# KiCad board MissionOrderFile.kicad_pcb (continued)
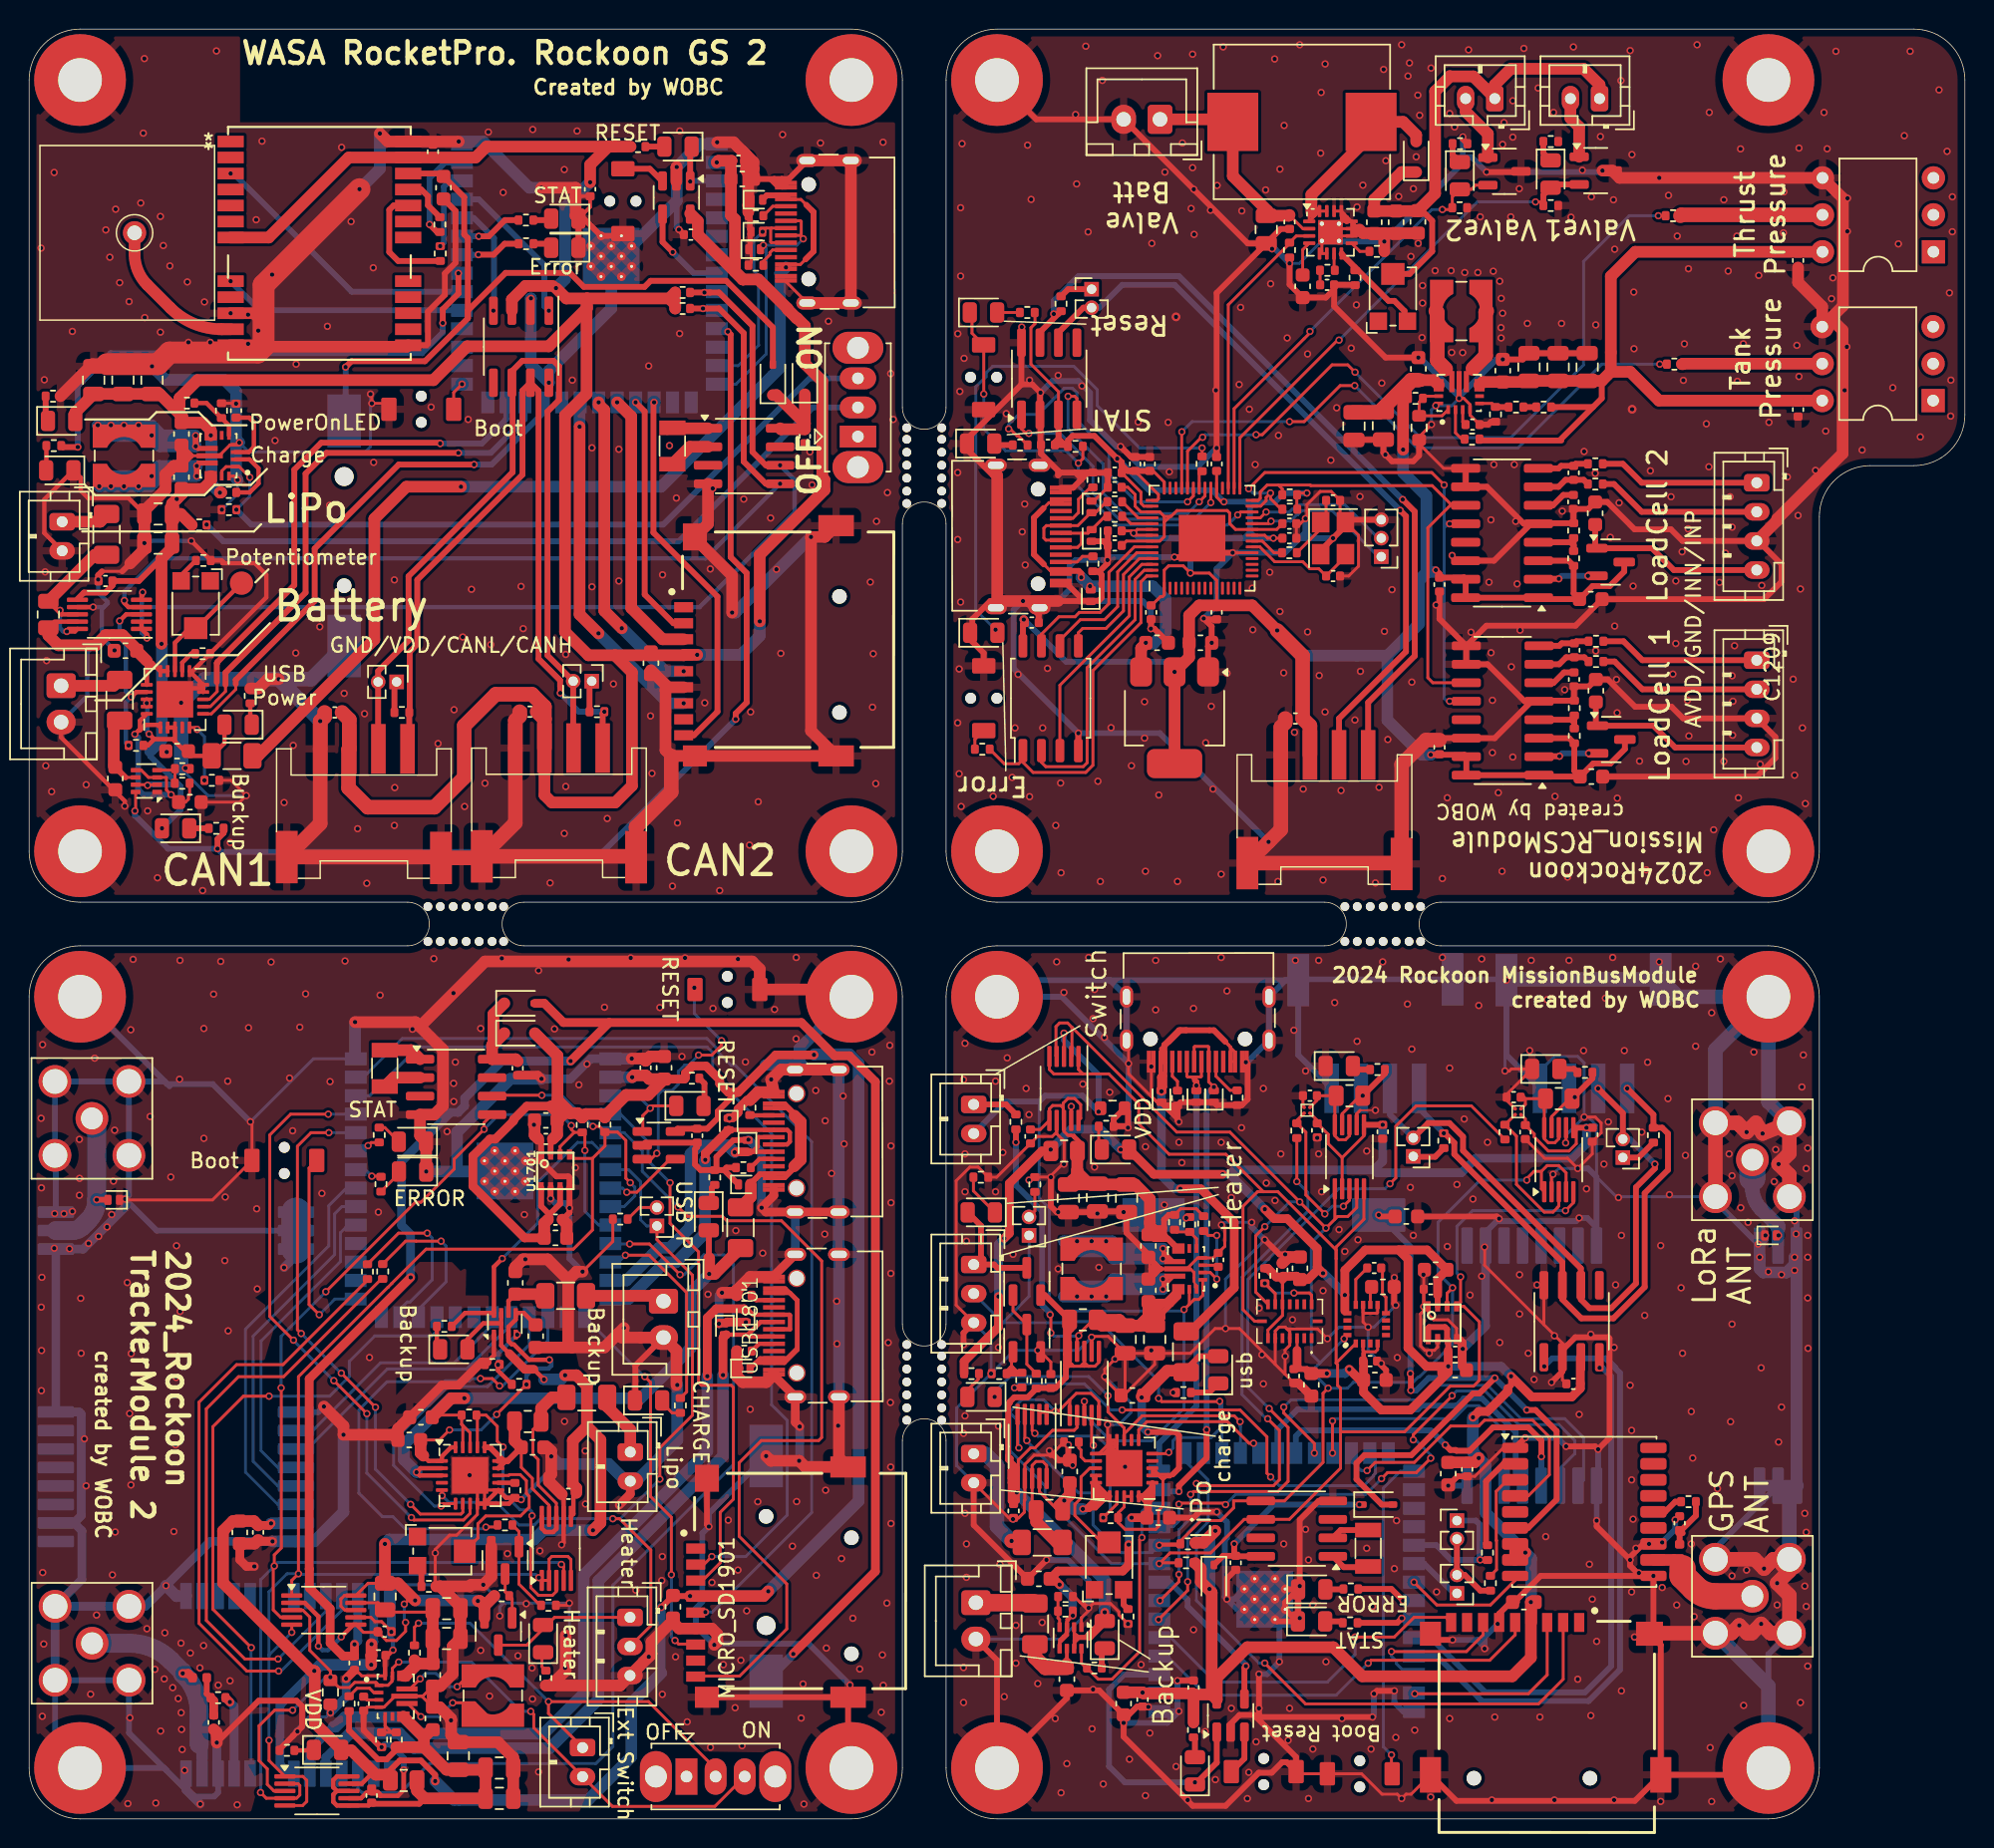
[diagram p0: board, top side]
## Footprints (pads in the part's own frame, mm; a bottom-side part is the same pattern mirrored in y, then rotated) (continued)
VREG_TPS63070RNMR
  rrect 0.6x0.25 smd: 1(-1.15,0.75) 2(-1.15,0.25) 3(-1.15,-0.25) 4(-1.15,-0.75)
  rrect 0.25x0.6 smd: 5(-0.725,-1.4) 6(-0.225,-1.4) 14(-0.225,1.4) 15(-0.725,1.4)
  rrect 0.85x0.7 smd: 7_8(0.525,-1.4) 12_13(0.525,1.4)
  rrect 1.45x0.35 smd: 9(0.775,-0.5) 11(0.775,0.5)
  rrect 1.8x0.35 smd: 10(0.6,0)
VSSOP-10_3x3mm_P0.5mm
  rrect 1.45x0.3 smd: 1(-2.2,1) 2(-2.2,0.5) 3(-2.2,0) 4(-2.2,-0.5) 5(-2.2,-1) 6(2.2,-1) 7(2.2,-0.5) 8(2.2,0) 9(2.2,0.5) 10(2.2,1)
WCSPD-4(0.8x0.8)
  round 0.25 smd: 1(-0.2,-0.2) 2(0.2,-0.2) 3(0.2,0.2) 5(-0.2,0.2)
WQFN-16-1EP_3x3mm_P0.5mm_EP1.68x1.68mm_ThermalVias
  rrect 0.73x0.73 smd: (-0.42,0.42) (-0.42,-0.42) (0.42,0.42) (0.42,-0.42)
  rrect 0.835x0.25 smd: 1(-1.458,0.75) 2(-1.458,0.25) 3(-1.458,-0.25) 4(-1.458,-0.75) 9(1.458,-0.75) 10(1.458,-0.25) 11(1.458,0.25) 12(1.458,0.75)
  rrect 0.25x0.835 smd: 5(-0.75,-1.458) 6(-0.25,-1.458) 7(0.25,-1.458) 8(0.75,-1.458) 13(0.75,1.458) 14(0.25,1.458) 15(-0.25,1.458) 16(-0.75,1.458)
  round 0.5 hole 0.3: 17(-0.59,0.59) 17(-0.59,-0.59) 17(0.59,0.59) 17(0.59,-0.59)
  rect 1.68x1.68 smd: 17(0,0)
  rect 1.68x1.68 smd far side: 17(0,0)

## Nets
/MissionBus/LiPo/VDD_BUS: C2812.1 C2813.1 C2814.1 C2815.1 C2816.1 R2818.1 R2820.2 R2821.1 U2805.7_8 U2806.6 U2806.8 U2806.10
/Tracker/Lipo/VDD_BUS: C1612.1 C1613.1 C1614.1 C1615.1 C1616.1 R1618.1 R1620.2 R1621.1 U1605.7_8 U1606.6 U1606.8 U1606.10
GND: BT101.2 BT1501.2 BT2201.2 C101.1 C201.1 C202.1 C203.1 C204.2 C301.1 C401.1 C501.1 C601.2 C602.2 C603.2 C604.2 C605.2 C606.2 C607.2 C608.2 C609.2 C610.2 C611.2 C612.2 C613.2 C701.2 C702.1 C801.2 C802.2 C901.1 C902.1 C903.1 C904.1 C905.2 C906.2 C907.1 C908.2 C909.1 C910.2 C911.2 C912.2 C913.2 C914.2 C915.2 C1001.1 C1101.2 C1102.2 C1103.2 C1104.2 C1105.2 C1106.2 C1107.2 C1201.2 C1202.2 C1203.2 C1204.2 C1205.2 C1206.2 C1207.2 C1208.2 C1209.2 C1210.2 C1301.2 C1303.2 C1304.2 C1305.2 C1401.2 C1403.2 C1404.2 C1405.2 C1601.2 C1602.2 C1603.2 C1604.2 C1605.2 C1606.2 C1607.2 C1608.2 C1609.2 C1610.2 C1611.2 C1612.2 C1613.2 C1614.2 C1615.2 C1616.2 C1701.2 C1702.2 C1703.2 C1704.2 C1801.2 C1802.1 C1803.1 C1901.2 C1902.1 C2001.2 C2002.2 C2101.1 C2102.1 C2103.2 C2201.1 C2301.1 C2302.1 C2303.1 C2304.2 C2401.1 C2402.1 C2403.1 C2501.2 C2502.1 C2601.2 C2701.1 C2702.1 C2703.1 C2801.2 C2802.2 C2803.2 C2804.2 C2805.2 C2806.2 C2807.2 C2808.2 C2809.2 C2810.2 C2811.2 C2812.2 C2813.2 C2814.2 C2815.2 C2816.2 C2901.2 C2902.2 C3001.2 C3002.2 C3003.2 C3004.2 C3101.2 C3102.2 C3103.2 C3104.2 C3106.2 C3107.2 C3108.2 D201.1 D202.1 D203.1 D205.1 D206.1 D902.1 D903.1 D904.1 D905.1 D906.1 D1801.1 D1802.1 D1803.1 D2001.1 D2101.1 D2102.1 D2103.1 D2105.1 D2106.1 D2301.1 D2302.1 D2303.1 D2305.1 D2306.1 D2901.1 J402.4 J402.MP J502.4 J502.MP J601.2 J602.2 J801.2 J901.3 J1002.4 J1002.MP J1301.3 J1401.3 J1601.2 J1602.3 J1605.2 J1801.2 J2001.2 J2402.4 J2402.MP J2603.2 J2702.4 J2702.MP J2801.2 J2802.3 J2805.2 J2901.2 LED603.1 LED1602.1 LED2401.1 LED2701.1 MICRO_SD701.6 MICRO_SD701.MP1 MICRO_SD701.MP2 MICRO_SD701.MP3 MICRO_SD701.MP4 MICRO_SD1901.6 MICRO_SD1901.MP1 MICRO_SD1901.MP2 MICRO_SD1901.MP3 MICRO_SD1901.MP4 MICRO_SD2501.6 MICRO_SD2501.MP1 MICRO_SD2501.MP2 MICRO_SD2501.MP3 MICRO_SD2501.MP4 Q1101.3 Q1102.3 Q1601.2 Q2801.2 R201.2 R202.2 R601.2 R602.2 R603.2 R604.1 R605.1 R611.2 R614.1 R616.2 R903.2 R904.2 R1101.2 R1102.2 R1104.2 R1105.2 R1106.2 R1107.2 R1108.2 R1202.2 R1204.1 R1304.2 R1404.2 R1601.2 R1603.2 R1604.2 R1606.1 R1610.2 R1612.1 R1615.2 R1616.2 R1619.1 R1622.2 R1801.2 R1802.2 R2101.2 R2102.2 R2301.2 R2302.2 R2801.2 R2803.2 R2804.2 R2806.1 R2810.2 R2812.1 R2815.2 R2816.2 R2819.1 R2822.2 REF**.GND REF**#2.GND REF**#3.GND REF**#4.GND SW201.2 SW202.2 SW901.2 SW902.1 SW2101.2 SW2102.2 SW2301.2 SW2302.2 U201.2 U202.2 U202.8 U203.1 U203.40 U203.41 U301.10 U301.12 U301.13 U301.24 U601.9 U601.10 U601.11 U601.21 U602.1 U603.4 U603.10 U603.15 U604.7 U701.4 U801.1 U901.2 U901.8 U902.4 U903.19 U903.57 U1101.5 U1101.6 U1101.10 U1101.11 U1101.12 U1101.13 U1101.14 U1101.17 U1201.4 U1201.10 U1201.15 U1202.6 U1203.6 U1301.5 U1301.9 U1301.10 U1301.14 U1401.5 U1401.9 U1401.10 U1401.14 U1601.9 U1601.10 U1601.11 U1601.21 U1602.1 U1603.7 U1604.7 U1605.4 U1605.10 U1605.15 U1606.7 U1701.1 U1701.5 U1701.7 U1801.10 U1801.12 U1801.13 U1801.24 U1901.4 U2001.1 U2001.2 U2001.3 U2001.4 U2001.11 U2001.13 U2001.19 U2001.20 U2001.22 U2101.2 U2102.1 U2102.40 U2102.41 U2301.2 U2302.2 U2302.8 U2303.1 U2303.40 U2303.41 U2401.2 U2402.7 U2501.4 U2601.1 U2601.10 U2601.12 U2701.2 U2702.2 U2702.7 U2801.9 U2801.10 U2801.11 U2801.21 U2802.1 U2803.7 U2804.7 U2805.4 U2805.10 U2805.15 U2806.7 U2901.1 U2901.2 U2901.3 U2901.4 U2901.11 U2901.13 U2901.19 U2901.20 U2901.22 U3001.1 U3001.5 U3001.7 U3101.4 U3101.6 U3102.9 U3102.11 USB201.A1 USB201.A12 USB201.B1 USB201.B12 USB201.S1 USB901.A1 USB901.A12 USB901.B1 USB901.B12 USB901.S1 USB1801.A1 USB1801.A12 USB1801.B1 USB1801.B12 USB1801.S1 USB2101.A1 USB2101.A12 USB2101.B1 USB2101.B12 USB2101.S1 USB2301.A1 USB2301.A12 USB2301.B1 USB2301.B12 USB2301.S1 Y901.2 Y901.4
VBUS: C801.1 D902.2 D2301.2 F2801.1 U801.3 USB901.A4 USB901.A9 USB901.B4 USB901.B9 USB2301.A4 USB2301.A9 USB2301.B4 USB2301.B9
VCCRF: R1803.1 U1801.9
VDD: C201.2 C202.2 C203.2 C204.1 C301.2 C401.2 C501.2 C610.1 C611.1 C612.1 C613.1 C701.1 C802.1 C901.2 C902.2 C908.1 C909.2 C910.1 C911.1 C912.1 C913.1 C914.1 C915.1 C1001.2 C1201.1 C1202.1 C1203.1 C1304.1 C1305.1 C1404.1 C1405.1 C1701.1 C1702.1 C1703.1 C1704.1 C1802.2 C1901.1 C2001.1 C2002.1 C2101.2 C2102.2 C2103.1 C2301.2 C2302.2 C2303.2 C2304.1 C2401.2 C2403.2 C2501.1 C2701.2 C2703.2 C2901.1 C2902.1 C3001.1 C3002.1 C3003.1 C3004.1 C3101.1 C3102.1 C3103.1 C3104.1 C3107.1 C3108.1 D702.2 D1902.2 D2502.2 J402.3 J502.3 J1002.3 LED604.2 LED1605.2 LED2805.2 MICRO_SD701.4 MICRO_SD1901.4 MICRO_SD2501.4 Q1301.3 Q1401.3 R203.1 R205.1 R207.1 R613.1 R615.2 R901.1 R902.1 R909.1 R911.1 R1201.2 R1303.1 R1403.1 R1621.2 R2103.1 R2105.1 R2107.1 R2303.1 R2305.1 R2307.1 R2802.2 R2821.2 R3101.2 U201.5 U202.3 U203.2 U301.7 U301.23 U603.7_8 U801.2 U901.3 U902.8 U903.1 U903.10 U903.22 U903.33 U903.42 U903.43 U903.44 U903.48 U903.49 U1201.12_13 U1301.1 U1301.3 U1301.15 U1301.16 U1401.1 U1401.3 U1401.15 U1401.16 U1606.9 U1701.2 U1701.6 U1701.8 U1801.7 U1801.23 U2001.10 U2101.5 U2102.2 U2301.5 U2302.3 U2303.2 U2401.5 U2402.2 U2402.6 U2601.7 U2601.8 U2701.5 U2702.6 U2806.9 U2901.10 U3001.2 U3001.6 U3001.8 U3101.3 U3101.7 U3101.11 U3102.2 U3102.4 U3102.13
/GS/CLK: MICRO_SD701.5 U203.20
/GS/DET: MICRO_SD701.CD1 U203.17
/GS/ESP32/CAN_RX: U202.4 U203.36
/GS/ESP32/CAN_TX: U202.1 U203.37
/GS/ESP32/CANH: J402.1 J502.1 R401.2 R501.2 U202.7
/GS/ESP32/CANL: J401.2 J402.2 J501.2 J502.2 U202.6
/GS/ESP32/GPIO1/ADC1_CH0: R301.1 U203.39
/GS/ESP32/GPIO2/ADC1_CH1: R302.1 U203.38
/GS/ESP32/GPIO3/ADC1_CH2: U203.15
/GS/ESP32/GPIO4/ADC1_CH3: U203.4
/GS/ESP32/GPIO5/ADC1_CH4: U203.5
/GS/ESP32/GPIO6/ADC1_CH5: U203.6
/GS/ESP32/GPIO7/ADC1_CH6: U203.7
/GS/ESP32/GPIO8/ADC1_CH7: U203.12
/GS/ESP32/GPIO14: U203.22
/GS/ESP32/GPIO18: R608.2 U203.11 U602.8
/GS/ESP32/GPIO38: U203.31 U301.8
/GS/ESP32/GPIO39: U203.32 U301.3
/GS/ESP32/GPIO40: R610.2 U203.33
/GS/ESP32/USB_D+: D202.2 U203.14 USB201.A6 USB201.B6
/GS/ESP32/USB_D-: D203.2 U203.13 USB201.A7 USB201.B7
/GS/ESP32/VUSB: D201.2 F601.1 USB201.A4 USB201.A9 USB201.B4 USB201.B9
/GS/ESP32/WDI: U201.4 U203.8
/GS/MISO: MICRO_SD701.7 U203.21
/GS/MOSI: MICRO_SD701.3 U203.19
/GS/PG: U203.23 U601.6
/GS/SCL: R205.2 U203.9 U604.1 U604.2 U604.5 U701.6
/GS/SDA: R207.2 U203.10 U604.4 U701.5
/GS/SS: MICRO_SD701.2 U203.18
/GS/STAT1: U203.25 U601.8
/GS/STAT2: U203.24 U601.7
/MissionBus/CANH: J2402.1 J2702.1 R2404.2 R2704.2 U2302.7
/MissionBus/CANL: J2401.2 J2402.2 J2701.2 J2702.2 U2302.6
/MissionBus/ESPCore/CAN_RX: U2302.4 U2303.36
/MissionBus/ESPCore/CAN_TX: U2302.1 U2303.37
/MissionBus/ESPCore/GPIO1/ADC1_CH0: MICRO_SD2501.3 U2303.39
/MissionBus/ESPCore/GPIO2/ADC1_CH1: MICRO_SD2501.7 U2303.38
/MissionBus/ESPCore/GPIO3/ADC1_CH2: MICRO_SD2501.2 U2303.15
/MissionBus/ESPCore/GPIO4/ADC1_CH3: MICRO_SD2501.5 U2303.4
/MissionBus/ESPCore/GPIO5/ADC1_CH4: MICRO_SD2501.CD1 U2303.5
/MissionBus/ESPCore/GPIO6/ADC1_CH5: R2401.1 U2303.6
/MissionBus/ESPCore/GPIO7/ADC1_CH6: R2701.1 U2303.7
/MissionBus/ESPCore/GPIO8/ADC1_CH7: R2809.2 U2303.12 U2802.8
/MissionBus/ESPCore/GPIO9/ADC1_CH8: J2802.2 J2804.1 U2303.17 U2801.5
/MissionBus/ESPCore/GPIO10/ADC1_CH9: LED2802.1 U2303.18 U2801.8
/MissionBus/ESPCore/GPIO11: U2303.19 U2801.6
/MissionBus/ESPCore/GPIO14: U2303.22 U2901.5
/MissionBus/ESPCore/GPIO18: U2303.11 U2901.6
/MissionBus/ESPCore/GPIO21: U2303.23 U2901.9
/MissionBus/ESPCore/GPIO40: U2303.33 U2601.9
/MissionBus/ESPCore/GPIO47: U2303.24 U2601.4
/MissionBus/ESPCore/GPIO48: R2808.2 U2303.25
/MissionBus/ESPCore/USB_D+: D2302.2 U2303.14 USB2301.A6 USB2301.B6
/MissionBus/ESPCore/USB_D-: D2303.2 U2303.13 USB2301.A7 USB2301.B7
/MissionBus/ESPCore/WDI: U2301.4 U2303.8
/MissionBus/GPS_RTX: J2601.1 R2602.2 U2303.31
/MissionBus/GPS_TRX: J2602.1 U2303.32
/MissionBus/LiPo/PROG: RV2801.2 U2801.13
/MissionBus/LiPo/STAT2: U2801.7
/MissionBus/LoRa_RTX: U2303.20 U2901.8
/MissionBus/LoRa_TRX: U2303.21 U2901.7
/MissionBus/SCL: R2305.2 U2303.9 U2402.5 U2501.6 U2702.5 U2803.1 U2803.5 U2804.1 U2804.2 U2804.5 U2806.1 U2806.5 U3001.4 U3101.8 U3102.1
/MissionBus/SDA: R2307.2 U2303.10 U2402.1 U2402.4 U2501.5 U2702.1 U2702.4 U2803.4 U2804.4 U2806.2 U2806.4 U3001.3 U3101.9 U3102.16
/RCS/IF/CANH: J1002.1 R1001.2 U901.7
/RCS/IF/CANL: J1001.2 J1002.2 U901.6
/RCS/RCS/RCS_EN: R1101.1 U903.31 U1101.3
/RCS/RCS/valve1: D1102.2 Q1101.2 R1106.1 U903.30
/RCS/RCS/valve2: D1103.2 Q1102.2 R1108.1 U903.29
/RCS/RP2040/CAN_RX: U901.4 U903.35
/RCS/RP2040/CAN_TX: U901.1 U903.34
/RCS/RP2040/GPIO0: U903.2
/RCS/RP2040/GPIO1: U903.3
/RCS/RP2040/GPIO2: U903.4
/RCS/RP2040/GPIO3: U903.5
/RCS/RP2040/GPIO4: U903.6
/RCS/RP2040/GPIO5: U903.7
/RCS/RP2040/GPIO6: U903.8
/RCS/RP2040/GPIO7: U903.9
/RCS/RP2040/GPIO8: U903.11
/RCS/RP2040/GPIO9: U903.12
/RCS/RP2040/GPIO10: U903.13
/RCS/RP2040/GPIO11: U903.14
/RCS/RP2040/GPIO12: U903.15
/RCS/RP2040/GPIO13: U903.16
/RCS/RP2040/GPIO14: U903.17
/RCS/RP2040/GPIO15: U903.18
/RCS/RP2040/GPIO21: U903.32
/RCS/RP2040/GPIO26_ADC0: R1207.2 U903.38
/RCS/RP2040/GPIO27_ADC1: R1208.2 U903.39
/RCS/RP2040/GPIO28_ADC2: U903.40
/RCS/RP2040/GPIO29_ADC3: U903.41
/RCS/RP2040/USB_D+: D903.2 R906.1 USB901.A6 USB901.B6
/RCS/RP2040/USB_D-: D904.2 R907.1 USB901.A7 USB901.B7
/RCS/SCL: R911.2 U903.28 U1301.11 U1401.11
/RCS/SDA: R909.2 U903.27 U1301.12 U1401.12
/Tracker/ESP32/CAN_RX: U1601.7 U2102.36
/Tracker/ESP32/CAN_TX: U1601.8 U2102.37
/Tracker/ESP32/GPIO1/ADC1_CH0: MICRO_SD1901.5 U2102.39
/Tracker/ESP32/GPIO2/ADC1_CH1: MICRO_SD1901.2 U2102.38
/Tracker/ESP32/GPIO3/ADC1_CH2: MICRO_SD1901.7 U2102.15
/Tracker/ESP32/GPIO4/ADC1_CH3: MICRO_SD1901.3 U2102.4
/Tracker/ESP32/GPIO5/ADC1_CH4: MICRO_SD1901.CD1 U2102.5
/Tracker/ESP32/GPIO6/ADC1_CH5: R1609.2 U1602.8 U2102.6
/Tracker/ESP32/GPIO7/ADC1_CH6: J1602.2 J1604.1 U1601.5 U2102.7
/Tracker/ESP32/GPIO8/ADC1_CH7: R1602.2 U2102.12
/Tracker/ESP32/GPIO9/ADC1_CH8: R1608.2 U2102.17
/Tracker/ESP32/GPIO10/ADC1_CH9: U1601.6 U2102.18
/Tracker/ESP32/GPIO11: U2001.6 U2102.19
/Tracker/ESP32/GPIO12: U2001.5 U2102.20
/Tracker/ESP32/GPIO13: U2102.21
/Tracker/ESP32/GPIO14: U2102.22
/Tracker/ESP32/GPIO18: U1801.3 U2102.11
/Tracker/ESP32/GPIO21: U1801.8 U2102.23
/Tracker/ESP32/GPIO38: U2001.7 U2102.31
/Tracker/ESP32/GPIO39: U2001.8 U2102.32
/Tracker/ESP32/GPIO40: U2001.9 U2102.33
/Tracker/ESP32/GPIO47: R1805.1 U2102.24
/Tracker/ESP32/GPIO48: R1804.1 U2102.25
/Tracker/ESP32/I2C_SCL: R2105.2 U1603.1 U1603.5 U1604.1 U1604.2 U1604.5 U1606.1 U1606.5 U1701.4 U1901.6 U2102.9
/Tracker/ESP32/I2C_SDA: R2107.2 U1603.4 U1604.4 U1606.2 U1606.4 U1701.3 U1901.5 U2102.10
/Tracker/ESP32/USB_D+: D2102.2 U2102.14 USB2101.A6 USB2101.B6
/Tracker/ESP32/USB_D-: D2103.2 U2102.13 USB2101.A7 USB2101.B7
/Tracker/ESP32/VUSB: D2101.2 F1601.1 USB2101.A4 USB2101.A9 USB2101.B4 USB2101.B9
/Tracker/ESP32/WDI: U2101.4 U2102.8
/Tracker/GPSActive/USB_D+: D1802.2 U1801.6 USB1801.A6 USB1801.B6
/Tracker/GPSActive/USB_D-: D1803.2 U1801.5 USB1801.A7 USB1801.B7
/Tracker/Lipo/PROG: RV1601.2 U1601.13
GPS_Backup: BT101.1 BT1501.1 BT2201.1 C101.2 C1803.2 C2201.2 D701.2 D1901.2 D2501.2 U301.22 U1801.22 U2601.6
GPSANT1: AE301.1 J1801.1 L1801.1 U301.11 U1801.11
RCS_VIN: C1102.1 C1104.1 J801.1 L1101.1 U1101.2
RESET: D204.1 D901.1 D2104.1 D2304.1 R901.2 SW901.1 U201.1 U203.3 U903.26 U2101.1 U2102.3 U2301.1 U2303.3
VPP: C1604.1 C1609.1 C2804.1 C2809.1 LED1603.2 LED2803.2 Q1602.2 Q2802.2 R1611.1 R1613.1 R2811.1 R2813.1 U1602.2 U1602.7 U1603.2 U1603.6 U1603.8 U1603.10 U1604.6 U2802.2 U2802.7 U2803.2 U2803.6 U2803.8 U2803.10 U2804.6
Net-(C904-Pad2): C904.2 R908.1 Y901.1
Net-(C1103-Pad1): C1103.1 R1103.2
Net-(C1801-Pad1): C1801.1 L1801.2 R1803.2
Net-(C2601-Pad1): C2601.1 L2601.1 R2603.2
Net-(D204-A): D204.2 R203.2
Net-(D205-A): D205.2 R204.2
Net-(D206-A): D206.2 R206.2
Net-(D701-K): C702.2 D701.1 D702.1 U701.8
Net-(D901-A): D901.2 R902.2
Net-(D905-A): D905.2 R910.2
Net-(D906-A): D906.2 R912.2
Net-(D1101-A): D1101.2 L1101.2 U1101.1 U1101.15 U1101.16
Net-(D1101-K): C1105.1 C1106.1 C1107.1 D1101.1 J1101.1 J1102.1 RV1101.2
Net-(D1102-K): D1102.1 R1104.1
Net-(D1103-K): D1103.1 R1107.1
Net-(D1801-A2): D1801.2 USB1801.A4 USB1801.A9 USB1801.B4 USB1801.B9
Net-(D1901-K): C1902.2 D1901.1 D1902.1 U1901.8
Net-(D2001-A2): D2001.2 J2001.1 U2001.21
Net-(D2104-A): D2104.2 R2103.2
Net-(D2105-A): D2105.2 R2104.2
Net-(D2106-A): D2106.2 R2106.2
Net-(D2304-A): D2304.2 R2303.2
Net-(D2305-A): D2305.2 R2304.2
Net-(D2306-A): D2306.2 R2306.2
Net-(D2501-K): C2502.2 D2501.1 D2502.1 U2501.8
Net-(D2901-A2): D2901.2 J2901.1 U2901.21
Net-(J401-Pin_1): J401.1 R401.1
Net-(J501-Pin_1): J501.1 R501.1
Net-(J601-Pin_1): F602.1 J601.1
Net-(J602-Pin_1): F603.2 J602.1
Net-(J901-Pin_1): J901.1 U903.24
Net-(J901-Pin_2): J901.2 U903.25
Net-(J1001-Pin_1): J1001.1 R1001.1
Net-(J1101-Pin_2): J1101.2 Q1101.1
Net-(J1102-Pin_2): J1102.2 Q1102.1
Net-(J1301-Pin_1): J1301.1 R1301.1
Net-(J1301-Pin_2): J1301.2 R1302.1
Net-(J1301-Pin_4): C1301.1 J1301.4 Q1301.1
Net-(J1401-Pin_1): J1401.1 R1401.1
Net-(J1401-Pin_2): J1401.2 R1402.1
Net-(J1401-Pin_4): C1401.1 J1401.4 Q1401.1
Net-(J1601-Pin_1): F1602.1 J1601.1
Net-(J1602-Pin_1): J1602.1 LED1604.2 Q1602.3
Net-(J1603-Pin_1): J1603.1 R1614.1 SW1601.2
Net-(J1603-Pin_2): J1603.2 R1616.1 SW1601.3 U1603.3 U1605.1 U1605.14 U1606.3
Net-(J1604-Pin_2): J1604.2 R1615.1
Net-(J1605-Pin_1): F1603.2 J1605.1
Net-(J2401-Pin_1): J2401.1 R2404.1
Net-(J2402-Pin_3): J2402.3 R2402.2 R2403.2 U2402.9
Net-(J2601-Pin_2): J2601.2 J2602.2 R2601.2
Net-(J2603-In): J2603.1 L2601.2 U2601.11
Net-(J2701-Pin_1): J2701.1 R2704.1
Net-(J2702-Pin_3): J2702.3 R2702.2 R2703.2 U2702.9
Net-(J2801-Pin_1): F2802.1 J2801.1
Net-(J2802-Pin_1): J2802.1 LED2804.2 Q2802.3
Net-(J2803-Pin_1): J2803.1 R2814.1
Net-(J2803-Pin_2): J2803.2 R2816.1 U2803.3 U2805.1 U2805.14 U2806.3
Net-(J2804-Pin_2): J2804.2 R2815.1
Net-(J2805-Pin_1): F2803.2 J2805.1
Net-(LED601-A): C601.1 F601.2 LED601.2 R606.1 U601.2 U601.3 U601.18 U601.19
Net-(LED601-K): LED601.1 R601.1
Net-(LED602-A): C604.1 C605.1 C607.1 C608.1 LED602.2 R609.1 U602.2 U602.7 U603.12_13 U604.6
Net-(LED602-K): LED602.1 R608.1
Net-(LED603-A): LED603.2 R610.1
Net-(LED604-K): LED604.1 R616.1
Net-(LED1601-A): C1601.1 F1601.2 LED1601.2 R1605.1 U1601.2 U1601.3 U1601.18 U1601.19
Net-(LED1601-K): LED1601.1 R1601.1
Net-(LED1602-A): LED1602.2 R1602.1
Net-(LED1603-K): LED1603.1 R1609.1
Net-(LED1604-K): LED1604.1 R1612.2
Net-(LED1605-K): LED1605.1 R1622.1
Net-(LED2401-A): LED2401.2 R2403.1
Net-(LED2701-A): LED2701.2 R2703.1
Net-(LED2801-A): C2801.1 F2801.2 LED2801.2 R2805.1 U2801.2 U2801.3 U2801.18 U2801.19
Net-(LED2801-K): LED2801.1 R2801.1
Net-(LED2802-A): LED2802.2 R2802.1
Net-(LED2803-K): LED2803.1 R2809.1
Net-(LED2804-K): LED2804.1 R2812.2
Net-(LED2805-K): LED2805.1 R2822.1
Net-(Q1301-B): Q1301.2 U1301.2
Net-(Q1401-B): Q1401.2 U1401.2
Net-(Q1601-B): Q1601.1 R1608.1 R1610.1
Net-(Q1601-C): Q1601.3 Q1602.1 R1611.2
Net-(Q2801-B): Q2801.1 R2808.1 R2810.1
Net-(Q2801-C): Q2801.3 Q2802.1 R2811.2
Net-(R602-Pad1): R602.1 RV601.3
Net-(R905-Pad2): R905.2 SW902.2
Net-(R1205-Pad2): R1205.2 R1206.1
Net-(R1603-Pad1): R1603.1 RV1601.3
Net-(R2803-Pad1): R2803.1 RV2801.3
Net-(SW601-B): R609.2 SW601.2
Net-(SW601-C): R611.1 SW601.3 U603.1 U603.14
Net-(U201-MR): SW201.1 U201.3
Net-(U203-GPIO0/BOOT): SW202.1 U203.27
Net-(U203-MTDI/GPIO41/CLK_OUT1): R204.1 U203.34
Net-(U203-MTMS/GPIO42): R206.1 U203.35
Net-(U301-RXD_/_SPI_MOSI): R301.2 U301.21
Net-(U301-TXD_/_SPI_MISO): R302.2 U301.20
Net-(U601-CE): R606.2 U601.17 U604.3
Net-(U601-PROG1): NOREF#42.1 RV601.2 U601.13
Net-(U601-PROG3): R603.1 U601.12
Net-(U601-THERM): R604.2 U601.5
Net-(U601-V_{BAT_SENSE}): C606.1 R612.1 U601.14 U601.15 U601.16 U604.9
Net-(U602-MODE): C603.1 R607.1 U601.1 U601.20 U602.3 U602.5
Net-(U602-PR1): R605.2 R607.2 U602.4
Net-(U602-VIN2): C602.1 F602.2 U602.6
Net-(U603-FB): R614.2 R615.1 U603.5
Net-(U603-L1): L601.1 U603.11
Net-(U603-L2): L601.2 U603.9
Net-(U603-PG): R613.2 U603.2
Net-(U603-VAUX): C609.1 U603.3
Net-(U604-Vbus): F603.1 R612.2 U604.8 U604.10
Net-(U701-OSCI): U701.1 Y701.1
Net-(U701-OSCO): U701.2 Y701.2
Net-(U902-CLK): U902.6 U903.52
Net-(U902-DI(IO0)): U902.5 U903.53
Net-(U902-DO(IO1)): U902.2 U903.55
Net-(U902-IO2): U902.3 U903.54
Net-(U902-IO3): U902.7 U903.51
Net-(U902-~{CS}): R905.1 U902.1 U903.56
Net-(U903-GPIO24): R912.1 U903.36
Net-(U903-GPIO25): R910.1 U903.37
Net-(U903-USB_DM): R907.2 U903.46
Net-(U903-USB_DP): R906.2 U903.47
Net-(U903-VREG_VOUT): C905.1 C906.1 C907.2 U903.23 U903.45 U903.50
Net-(U903-XIN): C903.2 U903.20 Y901.3
Net-(U903-XOUT): R908.2 U903.21
Net-(U1101-COMP): R1103.1 U1101.7
Net-(U1101-FB): R1105.1 RV1101.3 U1101.8
Net-(U1101-FREQ): R1102.1 U1101.9
Net-(U1101-SS): C1101.1 U1101.4
Net-(U1201-EN): R1201.1 R1202.1 U1201.1 U1201.14
Net-(U1201-FB): R1204.2 R1205.1 U1201.5
Net-(U1201-L1): L1201.1 U1201.11
Net-(U1201-L2): L1201.2 U1201.9
Net-(U1201-PG): R1203.2 U1201.2
Net-(U1201-VAUX): C1204.1 U1201.3
Net-(U1201-VOUT): C1205.1 C1206.1 C1207.1 C1208.1 C1209.1 C1210.1 R1203.1 R1206.2 U1201.7_8 U1202.4 U1203.4
Net-(U1202-VOUT): R1207.1 U1202.5
Net-(U1203-VOUT): R1208.1 U1203.5
Net-(U1301-INA+): C1302.1 R1301.2 U1301.8
Net-(U1301-INA-): C1302.2 R1302.2 U1301.7
Net-(U1301-VBG): C1303.1 U1301.6
Net-(U1301-VFB): R1303.2 R1304.1 U1301.4
Net-(U1401-INA+): C1402.1 R1401.2 U1401.8
Net-(U1401-INA-): C1402.2 R1402.2 U1401.7
Net-(U1401-VBG): C1403.1 U1401.6
Net-(U1401-VFB): R1403.2 R1404.1 U1401.4
Net-(U1601-CE): R1605.2 U1601.17 U1604.3
Net-(U1601-PROG3): R1604.1 U1601.12
Net-(U1601-V_{BAT_SENSE}): C1606.1 R1617.1 U1601.14 U1601.15 U1601.16 U1604.9
Net-(U1602-MODE): C1603.1 C1605.1 R1607.1 U1601.1 U1601.20 U1602.3 U1602.5
Net-(U1602-PR1): R1606.2 R1607.2 U1602.4
Net-(U1602-VIN2): C1602.1 F1602.2 U1602.6
Net-(U1603-Vin-): C1607.1 C1608.1 C1610.1 R1613.2 R1614.2 U1603.9 U1605.12_13
Net-(U1604-Vbus): F1603.1 R1617.2 U1604.8 U1604.10
Net-(U1605-FB): R1619.2 R1620.1 U1605.5
Net-(U1605-L1): L1601.1 U1605.11
Net-(U1605-L2): L1601.2 U1605.9
Net-(U1605-PG): R1618.2 U1605.2
Net-(U1605-VAUX): C1611.1 U1605.3
Net-(U1801-RXD_/_SPI_MOSI): R1804.2 U1801.21
Net-(U1801-TXD_/_SPI_MISO): R1805.2 U1801.20
Net-(U1901-OSCI): U1901.1 Y1901.1
Net-(U1901-OSCO): U1901.2 Y1901.2
Net-(U2101-MR): SW2101.1 U2101.3
Net-(U2102-GPIO0/BOOT): SW2102.1 U2102.27
Net-(U2102-MTDI/GPIO41/CLK_OUT1): R2104.1 U2102.34
Net-(U2102-MTMS/GPIO42): R2106.1 U2102.35
Net-(U2301-MR): SW2301.1 U2301.3
Net-(U2303-GPIO0/BOOT): SW2302.1 U2303.27
Net-(U2303-MTDI/GPIO41/CLK_OUT1): R2304.1 U2303.34
Net-(U2303-MTMS/GPIO42): R2306.1 U2303.35
Net-(U2401-CONTROL): R2401.2 U2401.3 U2402.3
Net-(U2401-VOUT): C2402.2 R2402.1 U2401.1 U2402.8 U2402.10
Net-(U2501-OSCI): U2501.1 Y2501.1
Net-(U2501-OSCO): U2501.2 Y2501.2
Net-(U2601-RXD): R2601.1 U2601.3
Net-(U2601-TXD): R2602.1 U2601.2
Net-(U2601-VCC_RF): R2603.1 U2601.14
Net-(U2701-CONTROL): R2701.2 U2701.3 U2702.3
Net-(U2701-VOUT): C2702.2 R2702.1 U2701.1 U2702.8 U2702.10
Net-(U2801-CE): R2805.2 U2801.17 U2804.3
Net-(U2801-PROG3): R2804.1 U2801.12
Net-(U2801-V_{BAT_SENSE}): C2806.1 R2817.1 U2801.14 U2801.15 U2801.16 U2804.9
Net-(U2802-MODE): C2803.1 C2805.1 R2807.1 U2801.1 U2801.20 U2802.3 U2802.5
Net-(U2802-PR1): R2806.2 R2807.2 U2802.4
Net-(U2802-VIN2): C2802.1 F2802.2 U2802.6
Net-(U2803-Vin-): C2807.1 C2808.1 C2810.1 R2813.2 R2814.2 U2803.9 U2805.12_13
Net-(U2804-Vbus): F2803.1 R2817.2 U2804.8 U2804.10
Net-(U2805-FB): R2819.2 R2820.1 U2805.5
Net-(U2805-L1): L2801.1 U2805.11
Net-(U2805-L2): L2801.2 U2805.9
Net-(U2805-PG): R2818.2 U2805.2
Net-(U2805-VAUX): C2811.1 U2805.3
Net-(U3101-SDO1): R3101.1 U3101.10 U3101.15
Net-(U3102-C1): C3106.1 U3102.10
Net-(U3102-SETC): C3105.1 U3102.12
Net-(U3102-STEP): C3105.2 U3102.8
Net-(USB201-CC1): R201.1 USB201.A5
Net-(USB201-CC2): R202.1 USB201.B5
Net-(USB901-CC1): R903.1 USB901.A5
Net-(USB901-CC2): R904.1 USB901.B5
Net-(USB1801-CC1): R1801.1 USB1801.A5
Net-(USB1801-CC2): R1802.1 USB1801.B5
Net-(USB2101-CC1): R2101.1 USB2101.A5
Net-(USB2101-CC2): R2102.1 USB2101.B5
Net-(USB2301-CC1): R2301.1 USB2301.A5
Net-(USB2301-CC2): R2302.1 USB2301.B5

Pads without a net: MICRO_SD701 1 8; MICRO_SD1901 1 8; MICRO_SD2501 1 8; RV601 1; RV1101 1; RV1601 1; RV2801 1; SW601 1; SW1601 1; U202 5; U203 16 26 28 29 30; U301 1 2 4 5 6 9 14 15 16 17 18 19; U601 4; U603 6; U701 3 7; U901 5; U1201 6; U1202 1 2 3; U1203 1 2 3; U1301 13; U1401 13; U1601 4; U1605 6; U1801 1 2 4 14 15 16 17 18 19; U1901 3 7; U2001 12 14 15 16 17 18; U2102 16 26 28 29 30; U2302 5; U2303 16 26 28 29 30; U2501 3 7; U2601 5 13 15 16 17 18; U2801 4; U2805 6; U2901 12 14 15 16 17 18; U3101 1 2 5 12 13 14 16; U3102 3 5 6 7 14 15; USB201 A8 B8; USB901 A8 B8; USB1801 A8 B8; USB2101 A8 B8; USB2301 A8 B8

## Via types
v1: diameter 0.5, hole 0.3, Top to Bottom, 1404 vias
v2: diameter 0.6, hole 0.3, Top to Bottom, 7 vias

## Routing (per net, layer and track width the routed paths; a pad name or vN(x,y) marks a point on that pad's centre or on a via; arc(x,y) is an arc through that point)
/MissionBus/LiPo/VDD_BUS: length 37.8
  Top w0.2: 72.01,46 72.01,45.91 R2821.1 72.03,46.57 71.8,46.8 ; 71.8,46.8 71.62,46.97 71.5,46.97 ; 71.8,46.8 71.8,46.97 ; 71.5,46.97 71.37,46.97 71.1,47.24 71.1,47.76 ; 71.5,46.97 71.8,46.97 ; C2816.1 69.48,47.38 U2806.6 70.1,48.8 70.33,49.03 70.88,49.03 71.05,48.85 71.05,48.05 ; 71.05,48.05 U2806.8 ; 71.05,48.05 71.05,49.19 71.37,49.51 71.83,49.51 72.25,49.09 72.25,48.15 U2806.10 ; R2818.1 80.19,41.93 79.12,41.93 R2820.2 ; 71.8,46.97 72.32,46.45
  Top w0.4: U2805.7_8 78.91,39.2 78.6,39.5 ; 77.98,40.6 77.4,40.6 77,41 77.85,40.15 77.9,40.15 ; 77.98,40.6 77.98,40.13 ; 77.98,40.6 77.98,41.18 78.31,41.51 R2820.2 ; 78.6,39.5 78.26,39.85 77.3,39.85 77,40.15 77.9,40.15 ; 78.6,39.5 77.98,40.13 ; 77.9,40.15 77.96,40.15 77.98,40.13 ; C2814.1 73.19,43.86 72.01,43.86
  Top w0.8: 72.01,44.6 72.01,46 ; 72.01,44.6 72.01,43.86 71.66,43.86 C2815.1 ; 72.01,44.6 72.01,44.21 C2815.1 ; 72.01,44.6 72.01,44.45 72.6,43.86 ; C2815.1 76,43.6 77,42.6 77,40.15
/Tracker/Lipo/VDD_BUS: length 34.3
  Top w0.3: 21.15,1.92 20.9,2.17 20.9,2.67 21.15,2.92 U1606.10 ; 21.15,1.92 U1606.8 ; 21.15,1.92 20.9,1.67 20.9,1.17 21.15,0.92 U1606.6 23.34,0.92 C1616.1
  Top w0.4: 27.18,1.41 26.81,1.04 23.62,1.04 C1616.1 ; R1620.2 25.23,4.75 24.57,4.1 23.97,4.1 21.98,6.08 R1618.1
  Top w0.8: U1605.7_8 27.13,5.61 ; 27.13,5.61 27.13,4.93 ; 27.13,5.61 27.64,6.12 C1612.1 ; 27.13,4.93 28.68,3.38 C1613.1 31.23,3.38 C1614.1 C1615.1 27.18,1.41 26.65,1.94 R1621.1 ; 27.13,4.93 R1620.2
GND: length 2392.8
  Top w0.1: 80.04,36.92 80.09,36.87 80.09,36.53 U2805.15 80.21,36.7 80.04,36.87 80.04,37.2 ; v1(92.5,48.7) 91.46,48.7
  Top w0.2: C2807.2 77.3,32 v1(77.1,32.2) 76.9,32 C2808.2 ; C2807.2 77.33,31.23 75.2,29.1 C2801.2 ; C2807.2 79.78,32 81.48,33.7 v1(82.2,33.7) 83.16,33.7 85.61,31.24 ; v1(74.1,27.1) 74.1,25.24 U2801.21 ; R1615.2 40.11,39.69 v1(38.03,37.61) ; 85.61,31.24 U3101.6 85.61,33.53 85.88,33.8 86.3,33.8 ; 85.61,31.24 86.29,30.56 ; U603.15 14.06,92.28 v1(14.32,92.02) ; C3003.2 95.82,35.53 U3001.1 ; C3003.2 95.82,37.4 ; C3003.2 95.82,34.92 95.6,34.7 ; C1204.2 99,96.47 U1201.4 99,97.2 98.57,97.62 v1(98.25,97.62) U1201.10 ; U1101.11 91.05,109.1 91.05,108.88 ; U1101.11 91.1,109.52 91.1,109.53 ; U1101.11 89.66,109.28 U1101.17 ; U1101.11 91.34,109.28 91.4,109.22 ; v1(104.7,44.3) 104.6,44.2 U2702.2 ; v1(89.2,33) 88.53,33.67 86.43,33.67 86.3,33.8 ; J1601.2 41.53,33.08 v1(40.86,33.74) ; U1101.13 90.16,109.78 ; U1101.13 U1101.14 ; U1101.13 90.35,110.3 90.35,109.97 ; U1101.13 90.56,110.09 ; 90.16,109.78 U1101.12 ; 90.16,109.78 U1101.17 ; U1101.17 U1101.17 ; U1101.17 U1101.17 ; U1101.17 U1101.17 ; U1101.17 89.66,108.78 U1101.10 ; 6.22,42.54 12.6,42.54 SW2102.2 15.31,47.81 v1(15.2,47.91) ; R2804.2 70.2,25 69.05,25 68.41,24.36 U2804.7 68.41,21.92 68.38,21.88 68.38,21.07 67.98,20.68 C2809.2 67.32,20.68 J2805.2 ; 72.2,14.9 72.4,14.9 v1(72.8,14.5) 73.1,14.8 74.3,14.8 74.88,14.22 74.88,14.02 v1(75.5,13.4) ; 72.2,14.9 72.78,14.32 72.3,13.83 U2802.1 ; 72.2,14.9 71.82,15.28 R2806.1 ; 74.45,25.45 75.24,24.66 U2801.21 ; 74.45,25.45 74.54,25.54 74.74,25.54 ; 74.45,25.45 74.39,25.39 ; 91.1,109.53 90.87,109.76 U1101.12 ; 91.1,109.53 91.4,109.22 ; 86.29,30.56 87.08,29.78 87.38,29.78 ; 86.29,30.56 86.29,32.22 86.61,32.55 U3101.4 86.61,33.48 86.3,33.8 ; C913.2 C906.2 87.34,89.02 v1(87.69,89.37) 87.8,89.47 87.8,90.33 88.7,91.22 89.46,91.22 C904.1 90.07,89.48 Y901.4 ; v1(13.24,89.97) R611.2 ; U903.19 v1(82.69,87.02) ; 74.74,25.4 74.74,24.6 U2801.21 ; 74.74,25.4 74.74,25.54 ; 74.74,25.4 U2801.9 ; v1(79,47.9) 77.8,49.1 77.8,49.3 77.45,49.3 ; v1(77.1,51.7) 77.1,49.65 77.45,49.3 ; U1605.15 22.85,9.83 22.49,10.19 ; v1(20.7,7.3) R1616.2 ; U2801.21 75.24,24.54 74.39,25.39 ; U2801.21 74.24,25.1 ; U1101.12 U1101.10 ; U1101.12 90.86,109.79 90.54,109.79 ; U1101.12 90.56,110.09 ; 5.01,85.74 6.41,85.74 ; 95.6,34.7 U3001.1 ; 95.6,34.7 95.6,32.5 95.9,32.2 96.55,32.2 96.78,32.42 96.78,32.97 ; 70.6,47.2 70.6,47.08 71.12,46.57 71.12,45.12 70.11,44.11 R2815.2 ; 70.6,47.2 U2806.7 ; 70.6,47.2 70.3,46.9 69.28,46.9 C2816.2 66.48,44.1 R2812.1 65.2,44.8 64.64,44.8 63.69,43.85 63.69,35.31 J2802.3 ; C2808.2 74.9,31.6 v1(74.6,31.6) 73.9,30.9 v1(73.9,30.4) 73.9,30.22 C2801.2 ; C2808.2 74.14,33.16 73.06,33.16 v1(73,33.1) U2803.7 ; C2808.2 75.3,29.38 C2801.2 ; U2801.10 74.24,25.84 73.5,25.1 U2801.11 73.8,25.1 ; U2801.10 74.24,25.1 ; U2801.10 74.74,25.54 ; U2801.10 U2801.9 ; U2801.10 74.24,25.54 ; C2701.1 104.12,45.4 105.7,45.4 v1(106.4,44.7) 107.4,45.7 C2703.1 108.01,47.15 108.01,47.83 107.6,48.23 v1(106.84,48.23) ; U1101.17 U1101.17 U1101.17 ; U1101.17 88.82,107.74 U1101.5 U1101.6 ; U1603.7 23.48,13.85 23.77,13.56 24.22,13.56 24.92,12.85 v1(24.88,12.85) 24.88,12.89 C1604.2 ; 77.45,49.3 75.54,51.21 v1(75.54,51.91) 75.54,53.36 USB2301.S1 ; U1101.10 90.96,108.78 91.05,108.88 ; USB201.S1 52,105.64 USB201.A1 ; 91.05,108.88 91.4,109.22 ; 91.46,48.7 91.21,48.46 U2402.7 ; MICRO_SD2501.MP2 94.96,1.7 94.6,1.7 v1(94.3,1.4) 94,1.7 92.95,1.7 91.55,3.1 SW2302.2 87.2,3.1 SW2301.2 ; R605.1 10.78,72.17 v1(10.74,72.21) ; v1(101.4,51.4) 101.7,51.4 101.84,51.54 LED2701.1 101.52,49.8 C2702.1 101.52,49.38 102.07,48.83 ; D202.1 49.45,108.93 D203.1 49.42,109.25 R202.2 ; 11.12,93.68 U603.10 13.06,93.68 13.81,94.43 U603.4 14.3,94.43 v1(14.45,94.58) ; Y901.4 91.34,88.22 91.34,86.09 90.66,85.42 C903.1 ; Y901.4 90.44,88.97 ; 104.07,33.97 U2302.8 ; 104.07,33.97 100,38.04 v1(100,39.3) ; 104.07,33.97 105.34,32.7 105.34,30.17 C2302.1 ; v1(69.3,32.2) 69.4,32.1 Q2801.2 70.2,31.4 C2804.2 ; U3001.1 96.12,34.67 96.5,34.3 97.48,34.3 98.07,33.71 U3001.5 ; 74.24,25.1 73.8,25.1 ; R1610.2 36.97,14.68 v1(37.11,14.83) ; C2402.1 87.52,48.98 87.58,48.92 ; v1(81.92,40.82) 82.15,40.59 82.15,39.35 C2811.2 81.35,38.55 U2805.4 80.29,38.55 79.54,37.8 U2805.10 ; SW202.2 24.32,97.28 v1(23.55,97.28) 23.55,97.83 v1(23.46,97.92) ; 31.3,22.6 30.28,23.62 v1(30.27,23.62) 30.27,23.63 U1601.21 30.8,23.1 U1601.9 30.8,20.93 29.37,19.5 28.88,19.5 27.91,18.52 v1(27.91,18.27) 27.91,16.05 R1603.2 ; 31.3,22.6 U1601.11 ; 31.3,22.6 U1601.10 ; U2805.10 77,37.8 ; U2805.10 79.79,37.8 80.04,37.55 80.04,36.92 ; 90.35,109.97 90.46,110.09 90.56,110.09 ; 90.35,109.97 U1101.17 ; C907.1 73.09,90.5 73.09,90.44 ; 77,37.8 77,37.15 ; 77,37.8 77,38.6 ; 25.78,8.43 27.04,8.43 C1610.2 ; 25.78,8.43 26.98,8.43 C1612.2 ; 25.78,8.43 25.13,8.43 24.38,7.68 U1605.4 23.23,7.68 C1611.2 ; 74.39,25.39 74.24,25.54 ; 74.39,25.39 74.39,25.69 U2801.9 ; C2902.2 99.33,23.54 101.29,25.5 U2601.1 ; v1(92,33.8) 91.65,34.15 U3102.11 91.65,34.8 91.7,34.75 92.6,34.75 92.65,34.8 U3102.9 ; 73.8,25.1 74.24,25.54 ; v1(96.65,97.12) 96.8,97.28 U1201.15 ; v1(9.46,73.32) C601.2 ; C203.1 49.61,112.54 49.61,111.42 49.41,111.22 49.41,110.42 49.61,110.22 49.61,106.96 R201.2 ; U1401.9 97.19,92.81 95.5,94.5 R1202.2 95.5,94.97 v1(96.35,95.83) ; R604.1 13.87,71.38 v1(14.92,70.33) 14.47,69.88 C603.2 ; R614.1 14.19,97.29 v1(14.22,97.26) ; U2702.7 105.6,46.49 v1(105.57,46.46) ; 81.59,87.02 U903.57 ; 9.36,73.38 9.15,73.38
  Top w0.25: USB201.B1 51.42,112.12 50.84,112.7 C203.1 ; C202.1 38.5,111.52 38.44,111.58 ; C202.1 37.58,111.52 37.55,111.47 ; C202.1 38.55,110.78 D206.1
  Top w0.3: U1601.10 U1601.9 ; U1601.10 32.97,21.66 R1604.2 ; U1601.10 U1601.11 32.77,22.07 R1604.2 ; R1604.2 33.51,21.94 v1(33.8,21.94) ; 11.12,78.78 11.13,78.78 R603.2 16.3,83.94 16.3,85.51 15.5,86.3 13.28,86.3 13.35,86.37 13.24,86.48 R602.2 12.48,86.5 v1(11.15,87.83) ; 11.12,78.78 U601.11 ; 11.12,78.78 U601.10 11.96,77.7 ; v1(10.45,76.7) 10.21,76.94 U601.21 10.78,77.7 11.96,77.7 ; U601.9 11.96,77.7 ; 36.58,22.28 36.72,22.13 U1604.7 36.72,18.98 v1(36.58,18.84) ; U1605.15 24.46,11.22 C1802.1 24.64,11.24 v1(25,11.6) ; v1(4.4,83.28) U604.7 ; U1606.7 22.8,1.42 23.18,1.8 23.48,1.8 ; 2.27,87.14 1.05,88.37 1.05,90.67 LED603.1 3.55,92.17 3.55,91.28 4.05,90.78 6.83,90.78 C605.2 ; U1602.1 31.94,31.86 31.48,31.4 ; C606.2 v1(5.87,80.31) ; 9.37,73.16 9.15,73.38 ; v1(25.74,3.36) 25.74,1.98 25.34,1.59 24.14,1.59 24.09,1.64 ; v1(6.57,69.6) 6.57,69.95 2.2,74.32 J601.2 ; v1(4.74,85.17) 4.74,85.15 4.84,85.06 ; 35.36,25.53 35.62,25.53